# Allegro board AB9.brd (continued)
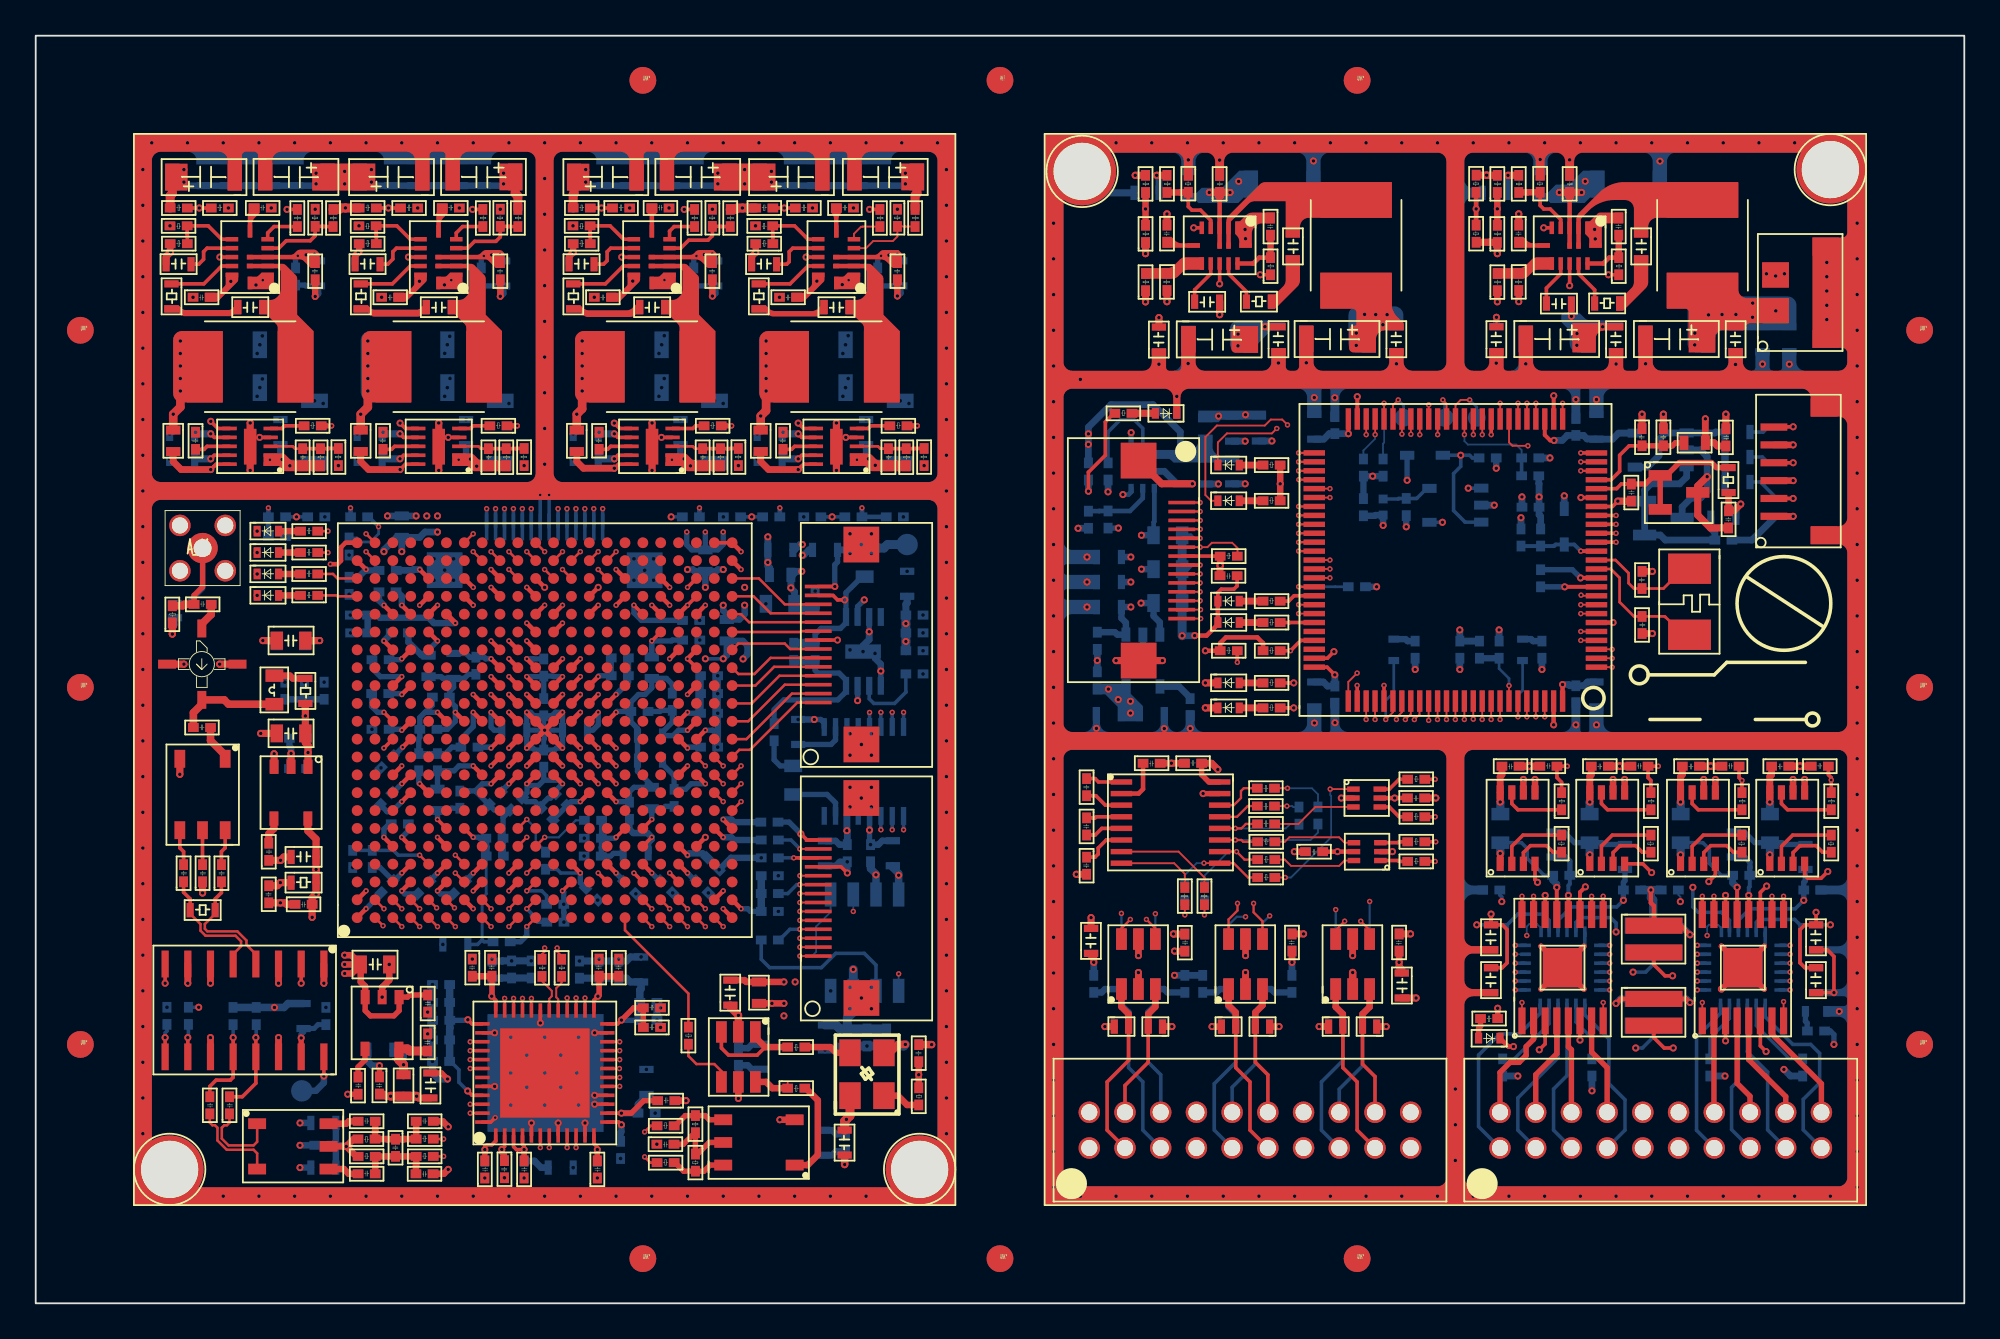
[diagram p0: board, top side]
## Nets (continued)
A_VCOM: A_C71.1 A_C239.1 A_C242.1 A_C245.1 A_R61.1 A_R63.2 A_T3.4 A_U14.2
A_VDPL1: A_C182.2 A_L18.1 A_U9.U6
A_VDPL2: A_C142.2 A_L16.1 A_U9.E17
A_VDPL3: A_C186.2 A_L19.1 A_U9.F6
A_VDPL4: A_C144.2 A_L17.1 A_U9.V17
B_3V3_MCU: B_C23.1 B_C25.1 B_C26.1 B_C30.1 B_C40.1 B_C42.2 B_C46.1 B_C47.1 B_C48.2 B_C49.2 B_C52.1 B_C70.1 B_C71.1 B_C72.1 B_C73.1 B_C81.1 B_C82.1 B_C88.1 B_C93.1 B_C94.1 B_C95.1 B_C96.1 B_C97.2 B_C98.1 B_C100.1 B_C101.1 B_C102.1 B_C117.1 B_C118.2 B_C119.2 B_C120.2 B_C123.1 B_D15.2(\K\) B_J3.7 B_J4.10 B_J4.11 B_L3.1 B_L5.2 B_R20.1 B_R21.1 B_R22.1 B_R23.2 B_R26.2 B_R27.2 B_R60.2 B_R62.1 B_R65.1 B_R66.2 B_R67.2 B_R69.1 B_R70.2 B_R78.2 B_R79.2 B_R80.2 B_R81.2 B_U4.6 B_U4.11 B_U4.28 B_U4.50 B_U4.75 B_U4.100 B_U5.5(\VCC\) B_U6.16(\VCC\) B_U11.5(\VCC\) B_U12.5(\VCC\) B_U13.5(\VCC\) B_U14.5(\VCC\) B_U17.5 B_U21.5(\OUT\) B_U22.5(\VCC\) B_U23.5(\VCC\) B_U24.5(\VCC\)
B_3V3_MCU_A: B_C21.2 B_C22.2 B_L3.2 B_U4.22
B_5V5_MCU_IN: B_C77.2 B_C78.2 B_C79.1 B_L4.2 B_R59.2 B_U18.4 B_U18.6
B_5V5_MCU_PWR: B_C9.1 B_C11.2 B_C12.2 B_C13.2 B_C19.2 B_C20.2 B_C65.2 B_C66.2 B_C67.2 B_C68.2 B_C74.2 B_C75.2 B_L1.2 B_L4.1 B_R14.2
B_5V_MCU: B_C31.1 B_C33.1 B_C35.1 B_C37.1 B_C83.2 B_C86.2 B_C87.2 B_C89.2 B_C90.2 B_C91.1 B_C92.1 B_C103.2 B_C104.2 B_C105.2 B_C106.2 B_R19.2 B_R58.1 B_R59.1 B_R63.2 B_U7.8 B_U8.8 B_U9.8 B_U10.8 B_U18.1 B_U21.1 B_U21.3
B_12V_MTR: B_C10.1 B_C14.2 B_C15.2 B_C16.2 B_C17.2 B_C18.2 B_C59.2 B_C60.2 B_C61.2 B_C62.2 B_C63.2 B_C64.2 B_C69.2 B_J1.1 B_J1.2 B_L2.2 B_R16.2
B_BOOT0: B_R68.2 B_R69.2 B_U4.94
B_BOOT1: B_R55.1 B_R60.1 B_U4.37
B_ENC1_A: B_D21.2 B_J4.8 B_U22.3
B_ENC1_A_BUF: B_U4.24 B_U22.4
B_ENC1_B: B_D20.2 B_J4.13 B_U22.1
B_ENC1_B_BUF: B_U4.23 B_U22.6
B_ENC2_A: B_D13.2 B_J4.12 B_U14.3
B_ENC2_A_BUF: B_U4.91 B_U14.4
B_ENC2_B: B_D12.2 B_J4.9 B_U14.1
B_ENC2_B_BUF: B_U4.90 B_U14.6
B_ENC3_A: B_D11.2 B_J4.15 B_U13.3
B_ENC3_A_BUF: B_U4.60 B_U13.4
B_ENC3_B: B_D10.2 B_J4.6 B_U13.1
B_ENC3_B_BUF: B_U4.59 B_U13.6
B_ENC4_A: B_D9.2 B_J4.19 B_U12.3
B_ENC4_A_BUF: B_U4.40 B_U12.4
B_ENC4_B: B_D8.2 B_J4.2 B_U12.1
B_ENC4_B_BUF: B_U4.42 B_U12.6
B_GND: B_C1.2 B_C2.2 B_C3.1 B_C4.1 B_C5.1 B_C6.1 B_C11.1 B_C12.1 B_C13.1 B_C14.1 B_C15.1 B_C16.1 B_C17.1 B_C18.1 B_C19.1 B_C20.1 B_C21.1 B_C22.1 B_C23.2 B_C24.1 B_C25.2 B_C26.2 B_C27.1 B_C28.1 B_C29.2 B_C30.2 B_C31.2 B_C32.2 B_C33.2 B_C34.2 B_C35.2 B_C36.2 B_C37.2 B_C38.2 B_C40.2 B_C42.1 B_C43.2 B_C44.1 B_C45.1 B_C46.2 B_C47.2 B_C48.1 B_C49.1 B_C50.1 B_C51.1 B_C52.2 B_C53.1 B_C54.1 B_C55.1 B_C56.1 B_C57.1 B_C58.1 B_C59.1 B_C60.1 B_C61.1 B_C62.1 B_C63.1 B_C64.1 B_C65.1 B_C66.1 B_C67.1 B_C68.1 B_C69.1 B_C70.2 B_C71.2 B_C72.2 B_C73.2 B_C74.1 B_C75.1 B_C76.1 B_C77.1 B_C78.1 B_C79.2 B_C80.2 B_C81.2 B_C82.2 B_C83.1 B_C84.1 B_C85.1 B_C86.1 B_C87.1 B_C88.2 B_C89.1 B_C90.1 B_C91.2 B_C92.2 B_C93.2 B_C94.2 B_C95.2 B_C96.2 B_C97.1 B_C98.2 B_C99.1 B_C100.2 B_C101.2 B_C102.2 B_C103.1 B_C104.1 B_C105.1 B_C106.1 B_C107.2 B_C108.2 B_C109.2 B_C110.2 B_C111.2 B_C112.2 B_C113.2 B_C114.2 B_C115.2 B_C116.2 B_C117.2 B_C118.1 B_C119.1 B_C120.1 B_C121.2 B_C122.2 B_C123.2 B_D1.1(\CATHODE\) B_D4.1(\CATHODE\) B_D5.1(\CATHODE\) B_D6.1(\CATHODE\) B_D7.1(\CATHODE\) B_D8.1 B_D9.1 B_D10.1 B_D11.1 B_D12.1 B_D13.1 B_D14.1(\CATHODE\) B_D16.1 B_D19.1(\CATHODE\) B_D20.1 B_D21.1 B_D22.1 B_D23.1 B_D24.1 B_D25.1 B_J1.3 B_J1.4 B_J1.M1 B_J1.M2(\M2\) B_J2.1 B_J2.3 B_J2.5 B_J2.M1 B_J2.M2(\M2\) B_J3.5 B_J3.8 B_J3.M1 B_J3.M2(\M2\) B_J4.7 B_J4.14 B_J5.5 B_J5.6 B_R3.1 B_R7.1 B_R8.1 B_R9.2 B_R10.1 B_R13.1 B_R15.1 B_R50.1 B_R51.1 B_R55.2 B_R56.2 B_R57.2 B_R64.1 B_R68.1 B_R73.2 B_R74.2 B_R77.1 B_R82.1 B_R84.2 B_R85.2 B_R86.2 B_R87.2 B_U1.1 B_U1.12 B_U2.1 B_U2.12 B_U3.3 B_U4.10(\VSS_5\) B_U4.19 B_U4.20 B_U4.27 B_U4.49 B_U4.74 B_U4.99 B_U5.2 B_U6.15 B_U7.1 B_U7.5 B_U7.6 B_U8.1 B_U8.5 B_U8.6 B_U9.1 B_U9.5 B_U9.6 B_U10.1 B_U10.5 B_U10.6 B_U11.2 B_U12.2 B_U13.2 B_U14.2 B_U15.13 B_U15.17 B_U16.13 B_U16.17 B_U17.2(\VSS\) B_U18.3 B_U18.7 B_U19.2(\VSS\) B_U20.3 B_U21.2 B_U22.2 B_U23.2 B_U24.2 B_U25.18 B_U25.25 B_U26.18 B_U26.25
B_LIMIT_SW1: B_U4.57 B_U24.4
B_LIMIT_SW2: B_U4.58 B_U24.6
B_LIMIT_SW3: B_U4.61 B_U23.4
B_LIMIT_SW4: B_U4.62 B_U23.6
B_LSW1: B_D25.2 B_J4.3 B_R81.1 B_U24.3
B_LSW2: B_D24.2 B_J4.18 B_R80.1 B_U24.1
B_LSW3: B_D23.2 B_J4.5 B_R79.1 B_U23.3
B_LSW4: B_D22.2 B_J4.16 B_R78.1 B_U23.1
B_M1_DRV+: B_J5.20 B_U15.2
B_M1_DRV-: B_J5.19 B_U15.4
B_M1_I_ADC: B_C34.1 B_R33.2 B_U4.16
B_M1_PWM+: B_U4.64 B_U15.10
B_M1_PWM-: B_U4.35 B_U15.9
B_M2_DRV+: B_J5.17 B_U15.7
B_M2_DRV-: B_J5.18 B_U15.5
B_M2_I_ADC: B_C32.1 B_R32.2 B_U4.15
B_M2_PWM+: B_U4.65 B_U15.16
B_M2_PWM-: B_U4.36 B_U15.15
B_M3_DRV+: B_J5.14 B_U16.2
B_M3_DRV-: B_J5.13 B_U16.4
B_M3_I_ADC: B_C38.1 B_R35.2 B_U4.18
B_M3_PWM+: B_U4.44 B_U16.16
B_M3_PWM-: B_U4.43 B_U16.15
B_M4_DRV+: B_J5.11 B_U16.7
B_M4_DRV-: B_J5.12 B_U16.5
B_M4_I_ADC: B_C36.1 B_R34.2 B_U4.17
B_M4_PWM+: B_U4.63 B_U16.9
B_M4_PWM-: B_U4.32 B_U16.10
B_MCU_LED1: B_R25.1 B_U4.70
B_MCU_LED2: B_R24.1 B_U4.67
B_MCU_LED3: B_R28.1 B_U4.77
B_MCU_LED4: B_R29.1 B_U4.80
B_MCU_RST_CPU: B_J3.6 B_R23.1 B_U4.33
B_MCU_RST_FPGA: B_J3.10 B_R66.1 B_U4.66
B_MCU_SPI2_MISO: B_J3.3 B_U4.53
B_MCU_SPI2_MOSI: B_J3.4 B_U4.54
B_MCU_SPI2_NSS: B_J3.1 B_U4.51
B_MCU_SPI2_SCK: B_J3.2 B_U4.52
B_MCU_UART1_RXD: B_J3.12 B_U4.69
B_MCU_UART1_TXD: B_J3.11 B_U4.68
B_MCU_UART3_RXD: B_R37.1 B_U4.56
B_MCU_UART3_TXD: B_R40.1 B_U4.55
B_MCU_UART4_RXD: B_R30.1 B_U4.79
B_MCU_UART4_TXD: B_R46.1 B_U4.78
B_N01539: B_C44.2 B_C50.2 B_U15.11(\VREF\) B_U15.14
B_N02684: B_R77.2 B_U8.4 B_U15.3
B_N02906: B_R82.2 B_U7.4 B_U15.6
B_N04940: B_D2.2 B_R20.2
B_N07800: B_R41.1 B_U7.2
B_N07815: B_R41.2 B_U7.3
B_N08892: B_R42.1 B_U8.2
B_N08904: B_R42.2 B_U8.3
B_N10404: B_R33.1 B_U8.7(\VOUT\)
B_N11136: B_R32.1 B_U7.7(\VOUT\)
B_N27735: B_C45.2 B_C51.2 B_U16.11(\VREF\) B_U16.14
B_N27979: B_R51.2 B_U10.4 B_U16.3
B_N28117: B_R50.2 B_U9.4 B_U16.6
B_N28299: B_R43.1 B_U9.2
B_N28303: B_R43.2 B_U9.3
B_N28307: B_R44.1 B_U10.2
B_N28311: B_R44.2 B_U10.3
B_N28637: B_D3.2 B_R22.2
B_N28731: B_R34.1 B_U9.7(\VOUT\)
B_N28759: B_R35.1 B_U10.7(\VOUT\)
B_N30927: B_R86.1 B_U26.2
B_N30933: B_R87.1 B_U26.5
B_N33222: B_C116.1 B_C122.1 B_U26.14(\VREF\) B_U26.17
B_N38076: B_R74.1 B_U26.11
B_N39890: B_D18.2 B_R70.1
B_N41862: B_C115.1 B_C121.1 B_U25.14(\VREF\) B_U25.17
B_N42130: B_R84.1 B_U25.2
B_N42224: B_R85.1 B_U25.5
B_N42300: B_R73.1 B_U25.11
B_N42416: B_D17.2 B_R67.1
B_N50111: B_C76.2 B_D15.1 B_R4.2 B_R9.1 B_U19.3
B_N52095: B_C80.1 B_L5.1 B_U19.5
B_N57048: B_C85.2 B_R62.2 B_U17.3 B_U20.1 B_U20.2(\REF\)
B_N57288: B_R53.1 B_R54.1 B_R61.1 B_U17.1 B_U17.4
B_N4905822: B_C99.2 B_U21.4
B_N6978822: B_U4.71
B_N7119824: B_C39.1 B_U6.1
B_N7119928: B_C41.1 B_U6.4
B_N7119940: B_C29.1 B_U6.2
B_N7119964: B_C39.2 B_U6.3
B_N7119992: B_C43.1 B_U6.6
B_N7120000: B_C41.2 B_U6.5
B_N7132397: B_R31.1 B_U6.14
B_N7132401: B_R49.1 B_U6.7
B_N7132405: B_R36.1 B_U6.13
B_N7132409: B_R48.1 B_U6.8
B_N7303093: B_R39.2 B_R71.2 B_U6.11
B_N7303131: B_R45.2 B_R75.2 B_U6.10
B_N7303158: B_R38.2 B_R72.1 B_U6.12
B_N7303185: B_R47.2 B_R76.1 B_U6.9
B_N7362382: B_D1.2 B_R19.1
B_N7767499: B_TP5.1(\TP\) B_U4.38
B_N7936310: B_D5.2 B_R25.2
B_N7936621: B_D4.2 B_R24.2
B_N7936920: B_D6.2 B_R28.2
B_N7937230: B_D7.2 B_R29.2
B_N8000304: B_TP6.1(\TP\) B_U4.45
B_N8000357: B_TP7.1(\TP\) B_U4.39
B_N8196940: B_R2.1 B_R3.2 B_U1.4
B_N8196944: B_R1.1 B_R8.2 B_U1.9
B_N8196950: B_C3.2 B_R11.2 B_U1.11
B_N8196956: B_R11.1 B_U1.5
B_N8196998: B_C5.2 B_U1.6
B_N8197004: B_R17.1 B_U1.10
B_N8197008: B_C7.1 B_L1.1 B_U1.2 B_U1.13
B_N8197018: B_C7.2 B_R17.2
B_N8197022: B_C9.2 B_U1.8
B_N8197032: B_R13.2 B_R14.1 B_U1.7
B_N8197074: B_R18.1 B_U2.10
B_N8197078: B_C8.2 B_R18.2
B_N8197098: B_C8.1 B_L2.1 B_U2.2 B_U2.13
B_N8197146: B_R6.1 B_R7.2 B_U2.4
B_N8197148: B_R5.1 B_R10.2 B_U2.9
B_N8197154: B_C10.2 B_U2.8
B_N8197166: B_R15.2 B_R16.1 B_U2.7
B_N8197176: B_C4.2 B_R12.2 B_U2.11
B_N8197182: B_C6.2 B_U2.6
B_N8197194: B_R12.1 B_U2.5
B_N8449814: B_R58.2 B_U18.5(\PG\)
B_N8449940: B_R63.1 B_R64.2 B_U18.2
B_N8934237: B_D19.2 B_R83.1
B_N9041352: B_D14.2 B_R52.1
B_N9050029: B_R40.2 B_U11.3
B_N9050033: B_R39.1 B_U11.4
B_N9050041: B_R46.2 B_U11.1
B_N9050045: B_R45.1 B_U11.6
B_N9050708: B_R37.2 B_U5.4
B_N9050712: B_R38.1 B_U5.3
B_N9050720: B_R30.2 B_U5.6
B_N9050724: B_R47.1 B_U5.1
B_NFAULT12: B_D2.1(\CATHODE\) B_U4.48 B_U15.8
B_NFAULT34: B_D3.1(\CATHODE\) B_U4.41 B_U16.8
B_NRST_MCU: B_C84.2 B_D16.2(\K\) B_J3.9 B_R65.2 B_U4.14
B_NSLEEP12: B_R57.1 B_U4.47 B_U15.1
B_NSLEEP34: B_R56.1 B_U4.46 B_U16.1
B_OSCIN: B_C28.2 B_U4.12 B_Y1.2
B_OSCOUT: B_C27.2 B_U4.13 B_Y1.1
B_PT100-1: B_J2.2 B_R61.2 B_U4.31
B_PT100-2: B_J2.4 B_R54.2 B_U4.30
B_PT100-3: B_J2.6 B_R53.2 B_U4.29
B_RXD1: B_J4.4 B_R36.2 B_R72.2
B_RXD2: B_J4.20 B_R48.2 B_R76.2
B_SMTR1_ADEC: B_U4.86 B_U26.19
B_SMTR1_DEC0: B_U4.89 B_U26.22
B_SMTR1_DEC1: B_U4.93 B_U26.24
B_SMTR1_DIR: B_U4.85 B_U26.13
B_SMTR1_I0: B_U4.87 B_U26.20
B_SMTR1_I1: B_U4.88 B_U26.21
B_SMTR1_M0: B_U4.82 B_U26.8
B_SMTR1_M1: B_U4.83 B_U26.9
B_SMTR1_NFAULT: B_D18.1(\CATHODE\) B_U4.81 B_U26.7
B_SMTR1_NSLEEP: B_U4.92 B_U26.23
B_SMTR1_PWM: B_U4.25 B_U26.12
B_SMTR1_TOFF_SEL: B_U4.84 B_U26.10
B_SMTR2_ADEC: B_U4.7 B_U25.19
B_SMTR2_DEC0: B_U4.1 B_U25.22
B_SMTR2_DEC1: B_U4.3 B_U25.24
B_SMTR2_DIR: B_U4.8 B_U25.13
B_SMTR2_I0: B_U4.5 B_U25.20
B_SMTR2_I1: B_U4.4 B_U25.21
B_SMTR2_M0: B_U4.96 B_U25.8
B_SMTR2_M1: B_U4.97 B_U25.9
B_SMTR2_NFAULT: B_D17.1(\CATHODE\) B_U4.95 B_U25.7
B_SMTR2_NSLEEP: B_U4.2 B_U25.23
B_SMTR2_PWM: B_U4.26 B_U25.12
B_SMTR2_TOFF_SEL: B_U4.98 B_U25.10
B_STEP1A_DRV1: B_J5.4 B_U26.1
B_STEP1A_DRV2: B_J5.3 B_U26.3
B_STEP1B_DRV1: B_J5.1 B_U26.6
B_STEP1B_DRV2: B_J5.2 B_U26.4
B_STEP2A_DRV1: B_J5.10 B_U25.1
B_STEP2A_DRV2: B_J5.9 B_U25.3
B_STEP2B_DRV1: B_J5.7 B_U25.6
B_STEP2B_DRV2: B_J5.8 B_U25.4
B_SWCLK: B_J3.14 B_R26.1 B_U4.76
B_SWDIO: B_J3.13 B_R27.1 B_U4.72
B_TXD1: B_J4.17 B_R31.2 B_R71.1
B_TXD2: B_J4.1 B_R49.2 B_R75.1
B_VBAT_ADC: B_U4.34 B_U19.1 B_U19.4
B_VBAT_IN: B_C1.1 B_C2.1 B_C53.2 B_C54.2 B_C55.2 B_C56.2 B_C57.2 B_C58.2 B_R1.2 B_R2.2 B_R4.1 B_R5.2 B_R6.2 B_U1.3(\VIN#3\) B_U1.14 B_U2.3(\VIN#3\) B_U2.14
B_VMTR: B_C107.1 B_C108.1 B_C111.1 B_C112.1 B_J5.16 B_R52.2 B_U15.12 B_U16.12
B_VREF_2V5: B_C24.2 B_R21.2 B_U3.1 B_U3.2(\REF\) B_U4.21
B_VSMTR: B_C109.1 B_C110.1 B_C113.1 B_C114.1 B_J5.15 B_R83.2 B_U25.15 B_U26.15

Pads without a net: A_U9 A3 A4 A5 A6 A7 A8 A9 A10 A11 A12 A13 A14 A15 A16 A17 A18 AA3 AA5 AA7 AA11 AA12 AA13 AA14 AA15 AA16 AA17 AA18 AA19 AA20 AA21 AB3 AB4 AB5 B3 B4 B5 B6 B7 B8 B9 B10 B11 B12 B13 B14 B15 B16 B17 B18 B19 B20 C3 C4 C6 C7 C8 C10 C13 C15 C17 C19 C20 C21 C22 D6 D7 D10 D13 D15 D17 D19 D20 D21 D22 E3 E5 E6 E7 E9 E10 E11 E12 E13 E14 E15 E16 E21 E22 F7 F8 F9 F10 F11 F13 F14 F15 F16 F17 F19 F20 F21 F22 G1 G5 G7 G8 G9 G10 G11 G13 G14 G15 G16 G17 G18 G21 H5 H6 H7 H8 H10 H11 H14 H15 H16 H17 H18 H19 H20 H22 J1 J2 J3 J4 J5 J6 J7 J8 J17 J18 J22 K7 K8 K17 K18 K19 K22 L6 L7 L8 M1 M2 M3 M4 M5 M6 M7 M8 M16 M19 M22 N1 N2 N5 N6 N7 N8 N16 N17 N18 N19 N22 P1 P2 P3 P4 P5 P6 P7 P15 P16 P17 P20 P22 R1 R2 R5 R6 R7 R14 R15 R16 R17 R18 R19 R22 T2 T3 T4 T5 T7 T8 T9 T10 T11 T12 T13 T14 T15 T16 T17 T18 T21 T22 U7 U8 U9 U10 U11 U12 U13 U14 U15 U16 U17 U19 U20 U21 U22 V3 V4 V5 V6 V7 V8 V9 V10 V11 V12 V13 V14 V15 V16 V21 V22 W6 W7 W8 W10 W13 W14 W15 W17 W19 W20 W21 W22 Y3 Y4 Y6 Y7 Y8 Y13 Y17 Y21 Y22; A_U14 43; A_U15 8; A_U16 5 8 11 12; B_U4 9 73; B_U25 16; B_U26 16

## Via types
v1: diameter 0.3, hole 0.15, TOP to BOTTOM, 463 vias
v2: diameter 0.4, hole 0.2, TOP to BOTTOM, 725 vias
v3: diameter 0.4, hole 0.2, TOP to GND-L2, 85 vias
v4: diameter 0.4, hole 0.2, GND-L9 to BOTTOM, 132 vias
v5: diameter 0.3, hole 0.15, GND-L9 to BOTTOM, 1 via

## Routing (per net, layer and track width the routed paths; a pad name or vN(x,y) marks a point on that pad's centre or on a via; arc(x,y) is an arc through that point)
A_1V2_FPGA: length 31.9
  TOP w0.3: A_R36.1 v1(49.37,49.15)
  PWR-L6 w0.3: v1(49.37,49.15) 48.48,49.15 v2(46.63,47.3) ; v1(45.99,47.25) 46.58,47.25 v2(46.63,47.3) ; v2(46.63,47.3) 47,46.94 v2(47.02,46.94)
  PWR-L6 w0.36: v2(39.7,39.1) v2(39.7,40.1)
  PWR-L6 w0.38: v2(39.7,40.1) 38.98,40.1 38.5,39.62 v2(38.5,39.1) v2(39.7,39.1)
  SIGNAL-L8 w0.38: v1(45.99,47.25) 46.04,47.3 v2(46.63,47.3) 47,46.94 v2(47.02,46.94) 47.9,46.05 47.9,44.6 43.3,40 43.3,38.88 42.92,38.5 40.3,38.5 v2(39.7,39.1) ; v2(39.7,39.1) v2(38.5,39.1) ; v2(39.7,39.1) v2(39.7,40.1)
  BOTTOM w0.36: v2(46.63,47.3) 46.5,47.43 A_C116.2 ; v2(39.7,39.1) 39.7,38.59 39.41,38.3 A_L15.2 38.7,38.6 38.5,38.8 v2(38.5,39.1)
  BOTTOM w0.4: v2(47.02,46.94) 47.13,47.05 A_C112.2
A_2V0_FPGA: length 13.9
  TOP w0.2: A_U8.6 43,49 v2(42.7,49.3) ; A_U8.9 42.9,47.5 v2(42.7,47.3) ; v2(42.7,48.7) 42.9,48.5 A_U8.7 ; A_U8.10 43,47 42.88,46.87 42.87,46.87 v2(42.7,46.7)
  TOP w0.38: A_L8.2 40.6,47.14 41.04,46.7 v2(42.7,46.7)
  PWR-L6 w0.38: v2(42.7,49.3) v2(42.7,48.7) v2(42.7,47.3) v2(42.7,46.7) 41.1,46.7 40.6,47.2
  BOTTOM w0.4: A_C124.2 v2(42.7,47.3) ; A_C120.2 v2(42.7,48.7)
A_2V0_FPGA_PWR: length 13.1
  TOP w0.36: A_R28.2 v2(40.32,58.86) 40.09,58.63 A_C16.1
  TOP w0.48: v2(40.9,51.1) 40.9,50 v2(40.6,49.7) A_L8.1
  PWR-L6 w0.3: v2(40.32,58.86) 40.9,58.28 v2(40.9,53.9)
  PWR-L6 w0.5: v2(40.6,49.7) 40.6,50.28 40.9,50.58 v2(40.9,51.1) v2(40.9,51.8) v2(40.9,52.5) v2(40.9,53.2) v2(40.9,53.9)
A_2V5_FPGA: length 18.8
  TOP w0.3: A_R35.1 v1(38.97,49.15)
  PWR-L6 w0.2: v1(37.5,43.2) 37.5,43.6 38.1,44.2 38.1,45.04 36.66,46.48 v2(36.66,46.9) 36.31,47.26 v2(36.31,47.29) 36.26,47.25 v1(35.63,47.25) ; v1(37.5,43.2) v1(36.46,43.2) ; v1(37.5,43.2) v1(38.5,43.2)
  PWR-L6 w0.3: v1(38.97,49.15) 38.16,49.15 v2(36.31,47.29)
  BOTTOM w0.3: v1(38.5,43.2) 38.5,42.5 38.2,42.2 A_L13.1 ; A_L13.1 v1(37.5,43.2) ; A_L13.1 36.74,42.2 36.46,42.48 v1(36.46,43.2)
  BOTTOM w0.36: v2(36.31,47.29) 36.1,47.5 A_C117.2
  BOTTOM w0.4: v2(36.66,46.9) 36.81,47.05 A_C113.2
A_3V3_BUCK_2V5: length 13
  TOP w0.36: A_C15.1 29.87,58.63 v2(30.1,58.86) A_R27.2
  TOP w0.48: A_L7.1 v2(30.3,49.8) 30.6,50.1 v2(30.6,51.1)
  PWR-L6 w0.3: v2(30.1,58.86) 30.6,58.36 v2(30.6,53.9)
  PWR-L6 w0.5: v2(30.6,53.9) v2(30.6,53.2) v2(30.6,52.5) v2(30.6,51.8) v2(30.6,51.1) 30.6,50.5 30.3,50.2 v2(30.3,49.8)
A_3V3_BUCK_2V5_IN: length 13.7
  TOP w0.2: A_U7.10 32.63,47 32.43,46.8 32.43,46.8 v2(32.4,46.77) ; v2(32.4,48.7) 32.6,48.5 A_U7.7 ; v2(32.4,47.3) 32.6,47.5 A_U7.9 ; A_U7.6 32.7,49 v2(32.4,49.3)
  TOP w0.38: v2(32.4,46.77) 30.67,46.77 30.3,47.14 A_L7.2
  PWR-L6 w0.38: v2(32.4,49.3) v2(32.4,48.7) v2(32.4,47.3) v2(32.4,46.77) 30.76,46.77 30.3,47.23
  BOTTOM w0.4: A_C125.2 v2(32.4,47.3) ; A_C121.2 v2(32.4,48.7)
A_3V3_FPGA: length 15.9
  TOP w0.3: A_R34.1 v1(26.97,49.15)
  PWR-L6 w0.3: v1(23.68,47.25) 24.32,47.25 v2(24.35,47.28) ; v1(26.97,49.15) 26.21,49.15 v2(24.35,47.28) ; v2(24.69,46.89) 24.69,46.94 v2(24.35,47.28) ; v2(22.5,44.1) v2(21.9,44.1) v2(21.3,44.1) v2(19.7,44.1)
  PWR-L6 w0.36: v2(24.69,46.89) 24.69,45.76 24.23,45.3 23.7,45.3 v2(22.5,44.1)
  BOTTOM w0.36: v2(21.3,44.1) A_L12.1 v2(19.7,44.1) ; A_C118.2 24.1,47.53 v2(24.35,47.28)
  BOTTOM w0.4: A_C114.2 24.86,47.05 v2(24.69,46.89)
A_3V3_IF: length 20.8
  TOP w0.4: A_U10.5 15.24,26.46 15.7,26 A_C42.2 v2(15.7,24.3) A_R51.2 v2(15.7,22.93) 15.48,22.71 A_C47.2 v2(15.48,21.62)
  PWR-L6 w0.5: v2(15.7,24.3) v2(15.7,22.93) 15.7,22.32 15.48,22.1 v2(15.48,21.62) 14.46,20.6 12.9,20.6 12.2,19.9 12.2,17.07 12.7,16.57 v2(13.37,16.57)
  BOTTOM w0.42: A_R88.2 14.13,16.79 13.91,16.57 v2(13.37,16.57) A_R89.2 A_R90.2
A_4V0_BUCK_3V3: length 14.4
  TOP w0.2: v2(20.4,46.7) 20.7,47 A_U6.10 ; A_U6.6 20.7,49 v2(20.4,49.3) ; A_U6.9 20.6,47.5 v2(20.4,47.3) ; v2(20.4,48.7) 20.6,48.5 A_U6.7
  TOP w0.38: A_L6.2 18.2,47.14 18.64,46.7 v2(20.4,46.7)
  PWR-L6 w0.38: 18.2,47.1 18.6,46.7 v2(20.4,46.7) 20.4,47.3 v2(20.4,47.3) v2(20.4,48.7) 20.4,49.3 v2(20.4,49.3)
  BOTTOM w0.4: A_C122.2 v2(20.4,48.7) ; A_C126.2 v2(20.4,47.3)
A_4V0_BUCK_3V3_PWR: length 13
  TOP w0.36: A_R26.2 18.11,58.91 v2(18.06,58.86) 17.88,58.68 A_C14.1
  TOP w0.48: A_L6.1 v2(18.2,49.8) 18.6,50.2 v2(18.6,51.1)
  PWR-L6 w0.3: v2(18.6,53.9) 18.6,58.33 v2(18.06,58.86)
  PWR-L6 w0.5: v2(18.2,49.8) 18.2,50.7 v2(18.6,51.1) v2(18.6,51.8) v2(18.6,52.5) v2(18.6,53.2) v2(18.6,53.9)
A_5V5_BUCK_5V_IN: length 14.4
  TOP w0.2: A_U5.9 10,47.5 v2(9.8,47.3) ; A_U5.7 10,48.5 v2(9.8,48.7) ; v2(9.8,49.4) 10.2,49 A_U5.6 ; v2(9.8,46.7) 9.97,46.87 9.98,46.87 10.1,47 A_U5.10
  TOP w0.38: v2(9.8,46.7) 8.14,46.7 7.7,47.14 A_L5.2
  PWR-L6 w0.38: v2(9.8,49.4) 9.8,49.4 v2(9.8,48.7) v2(9.8,47.3) v2(9.8,46.7) 8.2,46.7 7.7,47.2
  BOTTOM w0.4: v2(9.8,48.7) A_C123.2 ; A_C127.2 v2(9.8,47.3)
A_5V5_BUCK_5V_PWR: length 13.1
  TOP w0.38: A_C13.1 7.3,58.62 v2(7.54,58.87) 7.53,58.88 A_R25.2
  TOP w0.48: A_L5.1 v2(7.7,49.8) 8.1,50.2 v2(8.1,51.1)
  PWR-L6 w0.3: v2(7.54,58.87) 8.1,58.31 v2(8.1,53.9)
  PWR-L6 w0.5: v2(7.7,49.8) 7.7,50.7 v2(8.1,51.1) v2(8.1,51.8) v2(8.1,52.5) v2(8.1,53.2) v2(8.1,53.9)
A_5V_FPGA: length 66.9
  TOP w0.3: A_R33.1 v1(16.57,49.15) ; A_C54.2 20.95,17.27 20.83,17.15 A_U12.1 20.35,16.39 20.06,16.1 18.74,16.1 18.45,16.39 A_U12.3
  TOP w0.36: A_C48.2 17.68,19.5 v2(17.3,19.5) ; A_C48.2 v2(17.3,18.98) ; A_C48.2 17.69,18.47 v2(17.3,18.47) ; A_C48.2 18.2,18 18.45,17.75 A_U12.3
  TOP w0.4: A_C38.2 v2(15.9,37.12) ; A_U10.3 v2(13.35,30.78) ; A_R50.2 v2(15.1,32.9) A_C40.2 15.1,31.4 15.25,31.25 v2(15.25,30.85) A_U10.1
  PWR-L6 w0.3: v2(13.8,47.27) 14.15,46.91 v2(14.23,46.91) ; v2(13.8,47.27) 15.68,49.15 v1(16.57,49.15) ; v2(13.8,47.27) 13.78,47.25 v1(13.12,47.25) ; v2(41,42.93) v2(41,41.5)
  SIGNAL-L8 w0.36: 16.79,46.91 18.4,45.3 23.4,45.3 25.3,43.4 32.2,43.4 34.5,45.7 38.12,45.7 38.9,44.92 38.9,44.1 40.07,42.93 v2(41,42.93) v2(41,41.5) ; v1(13.12,47.25) 13.78,47.25 v2(13.8,47.27) 13.88,47.27 v2(14.23,46.91)
  SIGNAL-L8 w0.38: 16.79,46.91 16.07,47.63 14.16,47.63 v2(13.8,47.27)
  BOTTOM w0.36: v2(15.1,32.9) 15.1,33.3 15.05,33.35 A_C157.2 ; A_C158.2 A_C157.2 ; A_C157.2 A_C156.2 ; A_C145.2 15.58,37.08 15.62,37.12 v2(15.9,37.12) ; A_C180.2 15.17,30.37 15.25,30.45 v2(15.25,30.85) 15.25,31.15 15.17,31.23 A_C172.2 ; A_C119.2 13.7,47.36 v2(13.8,47.27)
  BOTTOM w0.38: A_L14.1 41.09,41.21 41,41.3 v2(41,41.5) A_C130.2 v2(41,42.93)
  BOTTOM w0.4: A_C115.2 14.37,47.05 v2(14.23,46.91)
A_A_DEMP: length 13.1
  TOP w0.14: A_U9.Y10 v1(37.5,30.1)
  SIGNAL-L8 w0.14: v1(46.7,33.09) 46.7,31.2 46.1,30.6 38,30.6 v1(37.5,30.1)
  BOTTOM w0.2: A_U16.13 v1(46.7,33.09)
A_A_FMT: length 14.1
  TOP w0.14: A_U9.AA10 v1(38.5,30.1)
  SIGNAL-L8 w0.14: v1(38.5,30.1) 39,29.6 47,29.6 47.97,30.56 v1(47.97,33.1)
  BOTTOM w0.2: A_U16.15 v1(47.97,33.1)
A_A_MUTE: length 11.9
  TOP w0.14: A_U9.AB9 v1(39.5,30.1)
  SIGNAL-L8 w0.14: v1(47.33,33.1) 47.33,30.93 46.5,30.1 v1(39.5,30.1)
  BOTTOM w0.2: A_U16.14 v1(47.33,33.1)
A_AD0: length 15.6
  TOP w0.14: A_U9.Y2 v1(37.5,22.1) ; A_U14.18 v1(32.7,12.65)
  SIGNAL-L3 w0.14: v1(37.5,22.1) 38,21.6 38,13.9 36.75,12.65 v1(32.7,12.65)
A_AD1: length 14.6
  TOP w0.14: v1(37.5,21.1) A_U9.Y1 ; A_U14.19 v1(32.69,13.15)
  SIGNAL-L3 w0.14: v1(32.69,13.15) 35.95,13.15 36.58,13.78 36.58,13.98 36.18,14.38 36.18,14.58 36.38,14.78 36.57,14.78 36.98,14.37 37.17,14.37 37.5,14.7 v1(37.5,21.1)
A_AD2: length 15
  TOP w0.14: A_U9.W2 v1(36.5,22.1) ; A_U14.20 v1(32.7,13.65)
  SIGNAL-L3 w0.14: v1(36.5,22.1) 37,21.6 37,17.6 36.18,16.78 36.18,16.58 36.83,15.93 36.83,15.73 36.64,15.54 36.44,15.54 35.79,16.19 35.59,16.19 35.3,15.9 35.3,14.4 34.55,13.65 v1(32.7,13.65)
A_AD3: length 15.6
  TOP w0.14: A_U14.21 v1(32.7,14.15) ; v1(36.5,21.1) A_U9.W1
  SIGNAL-L3 w0.14: v1(36.5,21.1) 36.5,19 35.9,18.4 35.57,18.4 35.43,18.26 35.43,17.74 35.29,17.6 35.01,17.6 34.87,17.74 34.87,18.26 34.73,18.4 34.45,18.4 34.31,18.26 34.31,17.74 34.17,17.6 33.89,17.6 33.75,17.74 33.75,18.16 33.61,18.3 33.14,18.3 33,18.16 33,17.6 34.3,16.3 34.3,14.7 33.75,14.15 v1(32.7,14.15)
A_AD4: length 15.2
  TOP w0.14: A_U14.22 v1(32.7,14.65) ; A_U9.V2 v1(35.5,22.1)
  SIGNAL-L3 w0.14: v1(32.7,14.65) 33.25,14.65 33.6,15 33.6,16.1 31.5,18.2 31.5,19 31.8,19.3 32.4,19.3 32.8,18.9 35.5,18.9 36,19.4 36,21.6 v1(35.5,22.1)
A_AD5: length 14.8
  TOP w0.14: A_U14.26 v1(30.76,17.1) ; A_U9.V1 v1(35.5,21.1)
  SIGNAL-L3 w0.14: v1(35.5,21.1) 35.5,19.9 35,19.4 33.3,19.4 32.5,20.2 32.5,22.1 32.2,22.4 31.4,22.4 31.2,22.2 31.2,21.5 30.76,21.06 v1(30.76,17.1)
A_AD6: length 16.1
  TOP w0.14: A_U9.U2 v1(34.5,22.1) ; A_U14.27 v1(30.26,17.1)
  SIGNAL-L3 w0.14: v1(30.26,17.1) 30.26,21.76 30.6,22.1 30.6,22.7 30.9,23 32.56,23 33.2,22.36 33.2,20.5 33.7,20 34.6,20 35,20.4 35,21.6 v1(34.5,22.1)
A_AD7: length 15.6
  TOP w0.14: A_U9.U1 v1(34.5,21.1) ; A_U14.28 v1(29.76,17.1)
  SIGNAL-L3 w0.14: v1(34.5,21.1) 34.5,20.7 34.3,20.5 34.1,20.5 33.9,20.7 33.9,23.3 33.6,23.6 30.4,23.6 30,23.2 30,22.5 29.76,22.26 v1(29.76,17.1)
A_AD8: length 16.5
  TOP w0.14: A_U9.H2 v1(25.5,22.1) ; A_U14.32 v1(27.76,17.08)
  SIGNAL-L3 w0.14: v1(25.5,22.1) 25.9,22.5 25.9,23 25.1,23.8 25.1,24.4 25.5,24.8 26.6,24.8 27,24.4 27,20.1 27.7,19.4 28.9,19.4 29.2,19.1 29.2,17.94 28.96,17.7 28,17.7 27.76,17.46 v1(27.76,17.08)
A_AD9: length 14.7
  TOP w0.14: A_U14.33 v1(27.26,17.08) ; A_U9.H1 v1(25.5,21.1)
  SIGNAL-L3 w0.14: v1(27.26,17.08) 27.26,17.86 27.57,18.17 28.56,18.17 28.7,18.31 28.7,18.59 28.56,18.73 27.4,18.73 26.29,19.85 25.84,19.85 25.6,19.61 25.6,19.14 25.46,19 24.9,19 24,18.1 23.8,18.1 23.6,18.3 23.6,18.5 24.6,19.5 24.6,20.26 24.74,20.4 25.26,20.4 25.5,20.64 v1(25.5,21.1)
A_AD10: length 14.9
  TOP w0.14: A_U9.F2 v1(23.45,22.15) ; A_U14.34 v1(26.76,17.08)
  SIGNAL-L3 w0.14: v1(23.45,22.15) 23.6,22 23.6,21.7 23.5,21.6 23.04,21.6 22.9,21.74 22.9,22.6 23.1,22.8 23.8,22.8 24,22.6 24,19.7 23.1,18.8 23.1,18.1 23.6,17.6 24.2,17.6 25,18.4 26.4,18.4 26.76,18.04 v1(26.76,17.08)
A_AD11: length 15
  TOP w0.14: A_U14.35 v1(26.26,17.08) ; A_U9.F1 v1(23.5,21.1)
  SIGNAL-L3 w0.14: v1(26.26,17.08) 26.26,17.54 25.9,17.9 25.3,17.9 24.32,16.92 24.12,16.92 24,17.05 23.8,17.05 23.66,16.91 23.66,16.59 23.73,16.53 23.73,16.33 23.5,16.1 22.14,16.1 22,16.24 22,16.66 22.14,16.8 22.86,16.8 23,16.94 23,17.3 22.63,17.67 22.34,17.67 22.2,17.8 22.2,18 22.55,18.35 22.55,18.55 22.4,18.7 22.24,18.7 22.1,18.84 22.1,19.04 22.77,19.7 23.05,19.7 23.5,20.15 v1(23.5,21.1)
A_AD12: length 14.7
  TOP w0.14: A_U14.39 v1(24.33,14.65) ; A_U9.E1 v1(22.5,21.1)
  SIGNAL-L3 w0.14: v1(24.33,14.65) 23.96,14.65 23.82,14.79 23.82,15.26 23.68,15.4 23.4,15.4 23.2,15.2 23.2,14.79 23.06,14.65 22.65,14.65 20.6,16.7 20.6,17.49 20.74,17.63 21.56,17.63 21.7,17.77 21.7,18.05 21.56,18.19 20.74,18.19 20.6,18.33 20.6,18.6 20.96,18.96 21.15,18.96 21.26,18.85 21.45,18.85 21.65,19.05 21.65,19.25 21.55,19.35 21.55,19.55 22.5,20.5 v1(22.5,21.1)
A_AD13: length 14.9
  TOP w0.14: A_U14.40 v1(24.33,14.15) ; A_U9.D2 v1(21.5,22.1)
  SIGNAL-L3 w0.14: v1(24.33,14.15) 22.25,14.15 19.7,16.7 19.4,16.7 19.3,16.8 19.3,17.26 19.44,17.4 19.86,17.4 20,17.54 20,17.9 19.9,18 19.7,18 19.5,18.2 19.5,18.4 22,20.9 22,21.6 v1(21.5,22.1)
A_AD14: length 14.6
  TOP w0.14: A_U14.41 v1(24.33,13.65) ; A_U9.C2 v1(20.5,22.1)
  SIGNAL-L3 w0.14: v1(24.33,13.65) 21.85,13.65 18.8,16.7 18.8,18.6 20.9,20.7 20.9,21.7 v1(20.5,22.1)
A_AD15: length 14.7
  TOP w0.14: A_U14.42 v1(24.33,13.15) ; A_U9.C1 v1(20.5,21.1)
  SIGNAL-L3 w0.14: v1(24.33,13.15) 21.55,13.15 18.3,16.4 18.3,18.9 18.85,19.45 18.85,19.65 18.85,19.65 18.85,19.95 19.1,20.2 19.6,20.2 v1(20.5,21.1)
A_AD_CLKN: length 14.7
  TOP w0.109: A_R54.2 29.45,19.45 29.2,19.7 v1(29.2,19.9)
  TOP w0.14: A_U9.G3 v1(23.5,24.1)
  SIGNAL-L3 w0.109: v1(23.5,24.1) 23.12,24.48 22.82,24.48 22.5,24.8 22.5,25.2 23.2,25.9 23.95,25.9 24.35,25.5 27.2,25.5 29.05,23.65 29.05,20.05 v1(29.2,19.9)
A_AD_CLKP: length 13.5
  TOP w0.109: A_R53.2 28.35,19.55 28.5,19.7 v1(28.5,19.9)
  TOP w0.14: v1(23.5,25.1) A_U9.G4
  SIGNAL-L3 w0.109: v1(23.5,25.1) 23.12,24.72 22.93,24.72 22.75,24.9 22.75,25.1 23.3,25.65 23.85,25.65 24.25,25.25 27.1,25.25 28.8,23.55 28.8,20.2 v1(28.5,19.9)
A_AD_DITH: length 15.6
  TOP w0.14: A_U14.17 v1(32.7,12.15) ; A_U9.AA1 v1(38.5,21.1)
  SIGNAL-L3 w0.14: v1(38.5,21.1) 38.75,20.85 38.75,13.75 37.15,12.15 v1(32.7,12.15)
A_AD_PGA: length 14.5
  TOP w0.14: v1(19.45,21.15) A_U9.B1 ; A_U14.47 v1(24.33,10.65)
  SIGNAL-L4 w0.14: v1(19.45,21.15) 19.45,19.65 21.5,17.6 21.5,12.4 23.25,10.65 v1(24.33,10.65)
A_AD_RAND: length 14.8
  TOP w0.14: A_U14.46 v1(24.33,11.15) ; A_U9.B2 v1(19.5,22.1)
  SIGNAL-L4 w0.14: v1(24.33,11.15) 23.55,11.15 22.2,12.5 22.2,18.3 20,20.5 20,21.6 v1(19.5,22.1)
A_ADC_3V3: length 39
  TOP w0.2: A_U14.12 31.26,8.94 31.45,8.75 v2(31.45,8.61) ; v2(32.8,10) 32.65,10.15 A_U14.13 ; A_U14.4 27.26,8.9 27.35,8.81 v2(27.35,8.61) 26.92,8.61 26.76,8.77 A_U14.3 ; A_U14.14 v2(32.8,10.65) ; A_U14.1 25.76,9.1 25.53,8.87 25.25,8.87 25.15,8.77 v2(25.15,8.61)
  TOP w0.3: A_C72.2 v2(27.35,8.61) ; A_C62.2 34.05,11.35 33.35,10.65 v2(32.8,10.65) ; A_C73.2 v2(31.45,8.61) ; A_C70.2 v2(25.15,8.61)
  TOP w0.38: v2(21.33,11.6) 21.43,11.5 A_C61.2 ; v2(19.87,11.6) 19.6,11.6 19.48,11.72 A_C60.2
  TOP w0.5: v2(21.33,11.6) A_L11.2 v2(19.87,11.6)
  PWR-L6 w0.3: v2(21.33,11.6) v2(19.87,11.6)
  PWR-L6 w0.36: 32.05,9.65 32.07,9.64 32.44,9.64 v2(32.8,10) ; 32.05,9.65 32.05,10.65 32.1,10.7 32.75,10.7 v2(32.8,10.65) ; 32.05,9.65 31.8,9.4 30.7,9.4 ; 24.8,9.4 24.8,8.96 v2(25.15,8.61) ; 24.8,9.4 24.16,9.4 23.8,9.76 23.8,10.2 23.2,10.8 21.5,10.8 21.33,10.97 v2(21.33,11.6) ; 24.8,9.4 27,9.4 ; v2(27.35,8.61) 27,8.96 27,9.4 ; 30.7,9.4 27,9.4 ; 30.7,9.4 30.7,9.36 v2(31.45,8.61)